# Allegro board 1156197-TDI_VU3P_QSFP28_CXP_V001_1023A-166-20241121_1644_PCB.brd (continued)
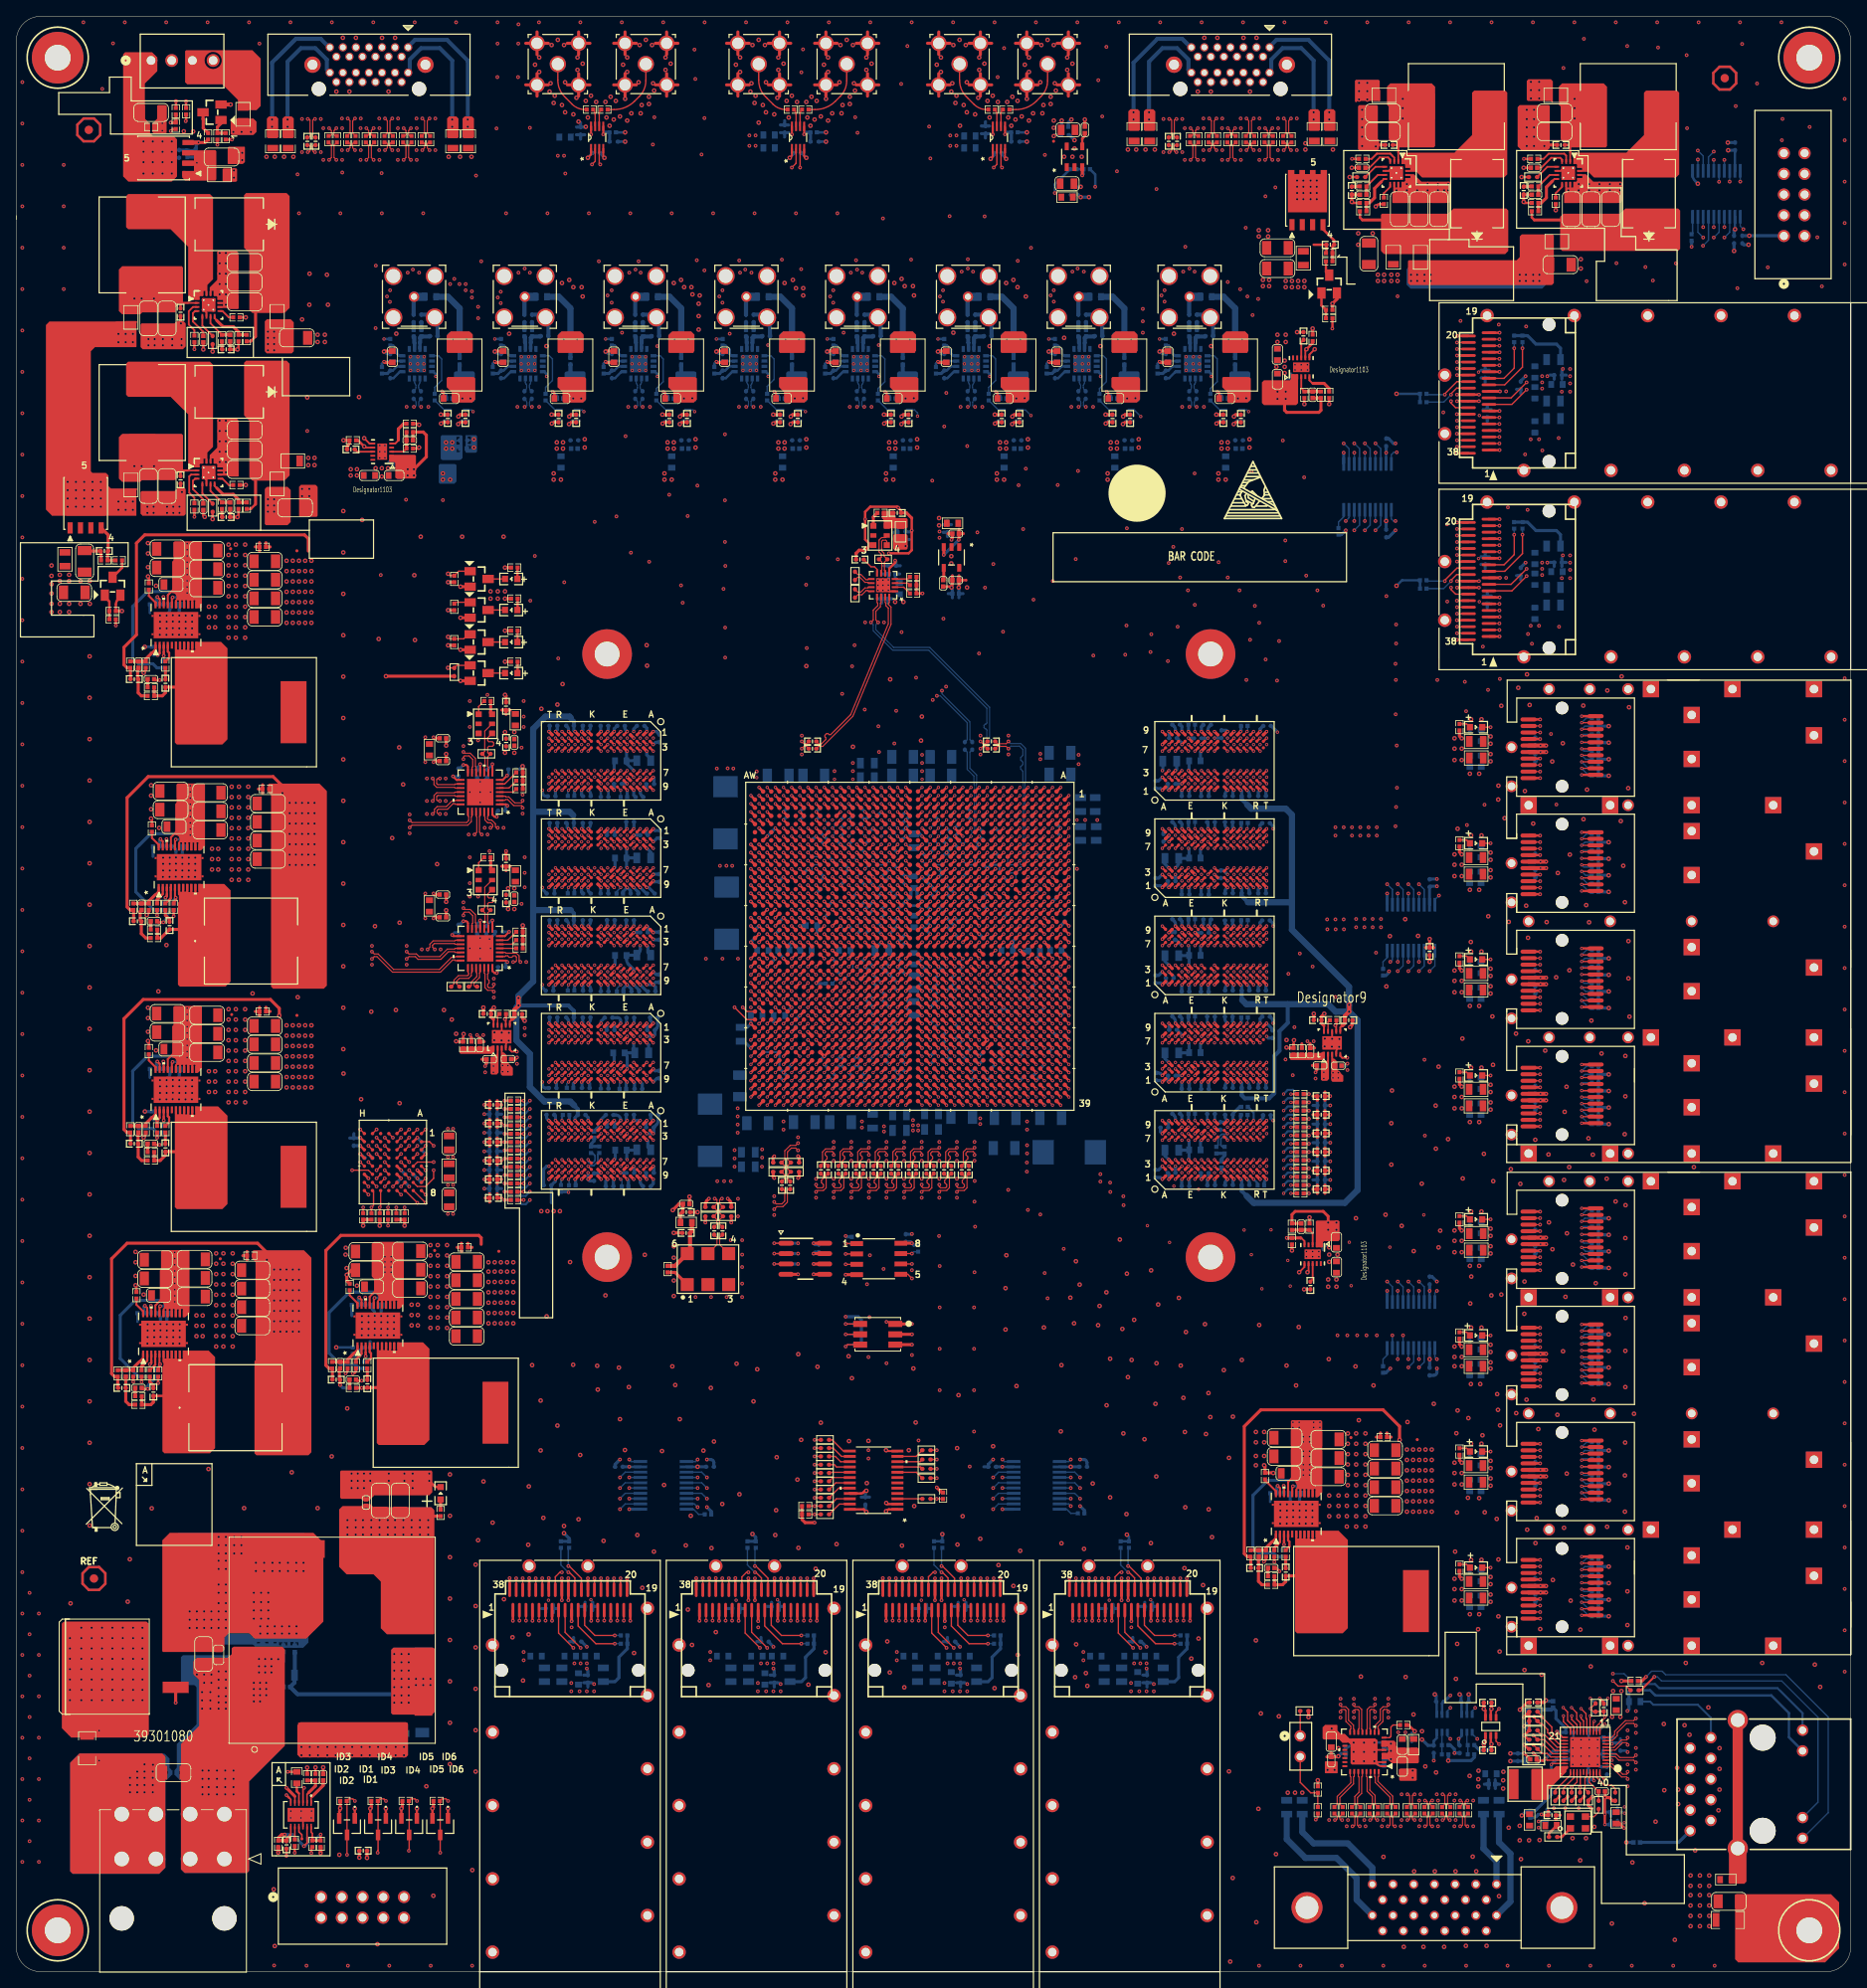
[diagram p0: board, top side]
## Routing (per net, layer and track width the routed paths; a pad name or vN(x,y) marks a point on that pad's centre or on a via; arc(x,y) is an arc through that point) (continued)
CHA_SFP+_0_RXD_P: length 98.8
  TOP w0.14: P1.A13 v1(186.91,48.94) ; U1.G38 v3(123.1,107.36)
  ART14 w0.102: v3(123.1,107.36) 123.1,107.06 arc(123.07,106.99) 123,106.96 122.86,106.96 arc(122.6,106.85) 122.5,106.6 122.5,105.77 122.45,105.71 122.45,105.69
  ART14 w0.114: 122.45,105.69 122.45,100.5 arc(122.87,98.3) 124.11,96.44 147.86,72.68 arc(149.87,71.34) 152.25,70.87 166.18,70.87 arc(168.82,70.34) 171.06,68.85 174.16,65.74 arc(174.65,65.01) 174.83,64.14 174.83,60.45 arc(175,59.56) 175.51,58.81 184.89,49.43 arc(185.15,49.25) 185.47,49.19 186.5,49.19 arc(186.65,49.16) 186.78,49.07 v1(186.91,48.94)
CHA_SFP+_0_TX_DISABLE: length 58.6
  TOP w0.17: P1.A3 v3(192,45.34)
  ART05 w0.122: v1(174.24,83.57) 174.24,79.5 175.84,77.9 175.84,68.76 177.8,66.8 177.8,64.14 178.82,63.12 178.82,55.88 182.84,51.86 187.2,51.86 189.1,49.96 190.12,49.96 191.64,51.48 192.79,51.48 193.17,51.1 193.17,45.64 192.87,45.34 v3(192,45.34)
  BOTTOM w0.17: R173.2 193.25,44.64 192.71,44.64 v3(192,45.34) ; v1(174.24,83.57) 173.99,83.32 U19.20
CHA_SFP+_0_TX_DISABLE_1V8: length 76.2
  TOP w0.152: U1.A28 v1(129.1,117.36)
  ART05 w0.122: v1(129.1,117.36) 129.53,117.36 130.68,116.2 130.68,98.12 145.75,83.06 167.77,83.06 174.24,76.58 v1(174.24,75.18)
  BOTTOM w0.17: v1(174.24,75.18) 173.99,75.43 U19.1
CHA_SFP+_0_TXD_N: length 107.7
  TOP w0.14: U1.F36 v3(124.1,109.36) ; P1.A19 v1(186.91,44.14)
  ART16 w0.102: v3(124.1,109.36) 124.1,109.61 arc(124.14,109.71) 124.25,109.76 124.36,109.76 arc(124.46,109.72) 124.5,109.62 124.5,108.04 124.48,107.62 124.48,105.89 124.42,105.84 124.42,105.82
  ART16 w0.114: 124.42,105.82 124.42,105.25 arc(124.46,105.05) 124.57,104.89 arc(124.64,104.79) 124.66,104.68 124.66,103.76 124.66,96.56 arc(124.95,95.11) 125.77,93.89 126.34,93.31 arc(127.13,92.14) 127.4,90.75 127.4,89.41 arc(127.61,88.4) 128.18,87.54 144.91,70.81 arc(147.16,69.31) 149.8,68.78 169.49,68.78 arc(171.3,68.42) 172.83,67.4 173.51,66.73 arc(174.43,65.34) 174.75,63.72 174.75,60.6 arc(174.94,59.64) 175.49,58.83 183.48,50.83 arc(184.52,49.28) 184.88,47.45 184.88,45.5 arc(184.93,45.28) 185.05,45.09 185.58,44.56 arc(185.77,44.44) 185.99,44.4 186.48,44.4 arc(186.64,44.37) 186.77,44.28 v1(186.91,44.14)
CHA_SFP+_0_TXD_P: length 107.6
  TOP w0.14: U1.F35 v3(124.1,110.36) ; P1.A18 v1(186.91,44.94)
  ART16 w0.102: v3(124.1,110.36) 124.1,110.15 arc(124.16,110.01) 124.29,109.96 124.36,109.96 arc(124.6,109.86) 124.7,109.62 124.7,108.03 124.68,107.61 124.68,105.89 124.73,105.84 124.73,105.82
  ART16 w0.114: v1(186.91,44.94) 186.78,44.81 arc(186.66,44.73) 186.51,44.7 185.99,44.7 arc(185.89,44.72) 185.8,44.78 185.27,45.31 arc(185.21,45.4) 185.19,45.5 185.19,45.71 arc(185.21,45.76) 185.27,45.78 arc(185.32,45.8) 185.34,45.86 185.34,46.16 arc(185.32,46.22) 185.27,46.24 arc(185.21,46.26) 185.19,46.31 185.19,47.45 arc(184.8,49.4) 183.7,51.05 175.7,59.05 arc(175.23,59.76) 175.06,60.6 175.06,63.72 arc(174.71,65.46) 173.72,66.94 173.05,67.61 arc(171.42,68.7) 169.49,69.09 149.8,69.09 arc(147.27,69.59) 145.13,71.02 128.4,87.76 arc(127.89,88.52) 127.71,89.41 127.71,90.75 arc(127.41,92.26) 126.56,93.53 125.98,94.11 arc(125.23,95.23) 124.97,96.56 124.97,96.56 124.97,104.68 arc(124.92,104.91) 124.79,105.11 arc(124.75,105.17) 124.73,105.25 124.73,105.82
CHA_SFP+_1_LOS: length 47.8
  TOP w0.17: DS5.2 v1(180.83,63.84) ; P1.B8 v3(192,63.59)
  ART05 w0.122: v3(192,63.59) 189.16,63.59 187.32,65.42 184.55,65.42 182.97,63.84 v1(180.83,63.84) 180.59,64.08 180.59,68.2 178.99,69.81 178.99,76.79 176.4,79.38 176.4,83.44 174.24,85.6 171.63,85.6 v1(170.74,84.71)
  BOTTOM w0.17: R185.2 192.38,63.97 v3(192,63.59) ; U19.16 171.39,84.06 v1(170.74,84.71)
CHA_SFP+_1_LOS_1V8: length 75.6
  TOP w0.152: U1.C29 v1(127.1,116.36)
  ART05 w0.122: v1(170.74,74.17) 170.05,74.86 170.05,75.82 168.09,77.79 168.09,78.67 165.23,81.53 144.78,81.53 127.64,98.68 127.64,115.6 127.1,116.13 v1(127.1,116.36)
  BOTTOM w0.17: U19.5 171.39,74.82 v1(170.74,74.17)
CHA_SFP+_1_RXD_N: length 87.3
  TOP w0.14: v1(186.91,63.99) 186.9,63.99 P1.B12 ; U1.E39 v3(125.1,106.36)
  ART14 w0.102: 124.75,105.69 124.75,105.71 124.7,105.77 124.7,106.6 arc(124.75,106.71) 124.86,106.76 125,106.76 arc(125.07,106.73) 125.1,106.65 v3(125.1,106.36)
  ART14 w0.114: v1(186.91,63.99) 186.78,63.86 arc(186.65,63.77) 186.5,63.74 186.33,63.74 arc(186.28,63.76) 186.26,63.81 arc(186.24,63.86) 186.19,63.88 185.87,63.88 arc(185.83,63.86) 185.81,63.81 arc(185.79,63.76) 185.74,63.74 184.83,63.74 arc(184.33,63.84) 183.91,64.12 183.76,64.27 arc(183.74,64.32) 183.76,64.37 arc(183.78,64.42) 183.76,64.48 183.54,64.7 arc(183.49,64.72) 183.43,64.7 arc(183.38,64.68) 183.33,64.7 183.11,64.92 arc(183.09,64.97) 183.11,65.02 arc(183.13,65.07) 183.11,65.12 182.89,65.34 arc(182.84,65.37) 182.79,65.34 arc(182.74,65.32) 182.69,65.34 176.91,71.12 arc(174.61,72.65) 171.9,73.19 152.86,73.19 arc(150.75,73.61) 148.97,74.8 126.97,96.81 arc(125.62,98.82) 125.15,101.21 125.15,103.09 arc(125.16,103.14) 125.21,103.16 arc(125.25,103.17) 125.27,103.22 125.27,103.55 arc(125.25,103.59) 125.21,103.61 arc(125.16,103.63) 125.15,103.68 125.15,104.01 arc(125.16,104.05) 125.21,104.07 arc(125.25,104.09) 125.27,104.13 125.27,104.46 arc(125.25,104.51) 125.21,104.53 arc(125.16,104.55) 125.15,104.59 125.15,104.74 arc(125.1,104.96) 124.98,105.15 124.83,105.29 arc(124.77,105.38) 124.75,105.48 124.75,105.69
CHA_SFP+_1_RXD_P: length 87.3
  TOP w0.14: U1.E38 v3(125.1,107.36) ; P1.B13 v1(186.91,63.19)
  ART14 w0.102: 124.45,105.69 124.45,105.71 124.5,105.77 124.5,106.6 arc(124.6,106.85) 124.86,106.96 125,106.96 arc(125.07,106.99) 125.1,107.06 v3(125.1,107.36)
  ART14 w0.114: 124.45,105.69 124.45,105.48 arc(124.49,105.26) 124.61,105.07 124.76,104.93 arc(124.82,104.84) 124.84,104.74 124.84,101.21 arc(125.34,98.71) 126.75,96.59 148.75,74.59 arc(150.64,73.33) 152.86,72.89 171.9,72.89 arc(174.5,72.37) 176.7,70.9 183.69,63.9 arc(184.21,63.56) 184.83,63.44 186.5,63.44 arc(186.65,63.41) 186.78,63.32 v1(186.91,63.19)
CHA_SFP+_1_TX_DISABLE: length 49.5
  TOP w0.17: P1.B3 v3(192,59.59)
  ART05 w0.122: v3(192,59.59) 190,59.59 187.32,56.92 186.44,56.92 185.17,58.19 180.75,58.19 179.45,59.48 179.45,64.01 179.07,64.39 179.07,68.45 177.42,70.1 177.42,72.9 178.18,73.66 178.18,76.83 175.01,80.01 175.01,83.69 174.5,84.2 172.68,84.2 v1(172.04,83.57)
  BOTTOM w0.17: U19.17 v1(172.04,83.57) ; R179.2 192.71,58.89 v3(192,59.59)
CHA_SFP+_1_TX_DISABLE_1V8: length 76.7
  TOP w0.152: U1.C28 v1(127.1,117.36)
  ART05 w0.122: v1(127.1,117.36) 127.59,116.87 129.49,116.87 130.3,116.05 130.3,97.97 145.59,82.68 167.23,82.68 172.04,77.86 v1(172.04,75.18)
  BOTTOM w0.17: U19.4 v1(172.04,75.18)
CHA_SFP+_1_TXD_N: length 94.5
  TOP w0.14: P1.B19 v1(186.91,58.39) ; U1.D36 v3(126.1,109.36)
  ART16 w0.102: v3(126.1,109.36) 126.1,109.61 arc(126.14,109.71) 126.25,109.76 126.32,109.76 arc(126.45,109.7) 126.5,109.58 126.5,108.04 126.48,107.62 126.48,105.86 126.42,105.8 126.42,105.78
  ART16 w0.114: v1(186.91,58.39) 186.78,58.52 arc(186.65,58.61) 186.5,58.64 186.15,58.64 arc(185.93,58.68) 185.74,58.8 185.53,59.01 arc(185.41,59.2) 185.37,59.42 185.37,61.37 arc(185.21,62.16) 184.76,62.83 177.98,69.62 arc(176.6,70.54) 174.97,70.87 153.12,70.87 arc(149.94,71.5) 147.25,73.3 131.14,89.4 arc(130.71,90.05) 130.56,90.82 arc(130.41,91.58) 129.98,92.22 127.64,94.55 arc(126.74,95.9) 126.42,97.5 126.42,105.78
CHA_SFP+_1_TXD_P: length 94.4
  TOP w0.14: U1.D35 v3(126.1,110.36) ; P1.B18 v1(186.91,59.19)
  ART16 w0.102: v3(126.1,110.36) 126.1,110.15 arc(126.16,110.01) 126.29,109.96 126.32,109.96 arc(126.59,109.85) 126.7,109.58 126.7,108.03 126.68,107.61 126.68,105.86 126.73,105.8 126.73,105.78
  ART16 w0.114: 126.73,105.78 126.73,97.5 arc(127.03,96.02) 127.86,94.77 130.19,92.44 arc(130.69,91.7) 130.86,90.82 arc(130.99,90.17) 131.36,89.62 147.47,73.51 arc(150.06,71.78) 153.12,71.17 174.97,71.17 arc(176.71,70.83) 178.19,69.84 184.98,63.05 arc(185.49,62.28) 185.67,61.37 185.67,60.17 arc(185.7,60.12) 185.75,60.09 arc(185.8,60.07) 185.83,60.02 185.83,59.71 arc(185.8,59.66) 185.75,59.64 arc(185.7,59.61) 185.67,59.56 185.67,59.42 arc(185.69,59.32) 185.75,59.23 185.96,59.02 arc(186.05,58.96) 186.15,58.94 186.5,58.94 arc(186.65,58.97) 186.78,59.06 v1(186.91,59.19)
CHA_SFP+_2_LOS: length 38.7
  TOP w0.17: P1.C8 v3(192,77.84) ; DS6.2 v1(180.83,78.09)
  ART05 w0.122: v1(169.44,84.71) 169.44,85.5 170.81,86.87 175.77,86.87 179.07,83.57 179.07,78.74 179.72,78.09 v1(180.83,78.09) 182.41,79.68 187.32,79.68 189.16,77.84 192,77.84 v3(192,77.84)
  BOTTOM w0.17: R194.2 192.39,78.22 v3(192,77.84) ; v1(169.44,84.71) 170.09,84.06 U19.14
CHA_SFP+_2_LOS_1V8: length 85.2
  TOP w0.152: U1.M27 v1(118.1,118.36)
  ART16 w0.122: v1(170.09,78.11) 167,81.19 167,91.95 164.47,94.49 138.72,94.49 131.7,101.51 131.7,112.78 129.54,114.94 126.8,114.94 126.57,115.16 126.57,115.7 126.44,115.82 118.87,115.82 118.62,116.08 118.62,117.86 118.12,118.36 v1(118.1,118.36)
  BOTTOM w0.17: v1(170.09,78.11) U19.7
CHA_SFP+_2_RXD_N: length 78.5
  TOP w0.14: P1.C12 186.9,78.24 v1(186.91,78.24) ; U1.C39 v3(127.1,106.36)
  ART14 w0.102: v3(127.1,106.36) 127.1,106.65 arc(127.07,106.73) 127,106.76 126.86,106.76 arc(126.75,106.71) 126.7,106.6 126.7,105.85 126.75,105.79 126.75,105.77
  ART14 w0.114: 126.75,105.77 126.75,103.53 arc(126.78,103.48) 126.83,103.46 arc(126.88,103.44) 126.9,103.39 126.9,103.08 arc(126.88,103.03) 126.83,103 arc(126.78,102.98) 126.75,102.93 126.75,102.7 arc(127.18,100.55) 128.4,98.73 128.52,98.61 arc(128.58,98.59) 128.63,98.61 128.63,98.61 arc(128.69,98.63) 128.75,98.61 128.96,98.4 arc(128.98,98.34) 128.96,98.29 arc(128.93,98.23) 128.96,98.17 129.17,97.96 arc(129.22,97.94) 129.28,97.96 arc(129.34,97.99) 129.39,97.96 129.6,97.75 arc(129.63,97.7) 129.6,97.64 arc(129.58,97.58) 129.6,97.53 131.34,95.79 142.1,85.03 arc(146.68,81.97) 152.07,80.9 181.34,80.9 arc(182.65,80.64) 183.75,79.9 184.37,79.28 arc(184.42,79.26) 184.46,79.28 arc(184.51,79.3) 184.55,79.28 184.79,79.04 arc(184.81,79) 184.79,78.95 arc(184.77,78.91) 184.79,78.86 185.02,78.63 arc(185.07,78.61) 185.11,78.63 arc(185.15,78.65) 185.2,78.63 185.43,78.4 arc(185.45,78.35) 185.43,78.31 arc(185.42,78.26) 185.43,78.22 185.58,78.07 arc(185.67,78.01) 185.77,77.99 186.5,77.99 arc(186.65,78.02) 186.78,78.11 v1(186.91,78.24)
CHA_SFP+_2_RXD_P: length 78.5
  TOP w0.14: U1.C38 v3(127.1,107.36) ; P1.C13 v1(186.91,77.44)
  ART14 w0.102: 126.45,105.77 126.45,105.79 126.5,105.85 126.5,106.6 arc(126.6,106.85) 126.86,106.96 127,106.96 arc(127.07,106.99) 127.1,107.06 v3(127.1,107.36)
  ART14 w0.114: v1(186.91,77.44) 186.78,77.57 arc(186.65,77.66) 186.5,77.68 185.77,77.68 arc(185.55,77.73) 185.36,77.85 183.54,79.68 arc(182.53,80.36) 181.34,80.59 152.07,80.59 arc(146.56,81.69) 141.88,84.81 131.65,95.05 128.18,98.51 arc(126.9,100.44) 126.45,102.7 126.45,105.77
CHA_SFP+_2_TX_DISABLE: length 40.7
  TOP w0.17: P1.C3 v3(192,73.84)
  ART05 w0.122: v1(170.74,83.57) 170.18,84.13 170.18,85.22 171.2,86.23 174.88,86.23 177.04,84.07 177.04,79.5 179.58,76.96 179.58,73.7 180.85,72.43 185.17,72.43 186.44,71.16 187.32,71.16 190,73.84 v3(192,73.84)
  BOTTOM w0.17: U19.15 v1(170.74,83.57) ; R187.2 192.7,73.14 v3(192,73.84)
CHA_SFP+_2_TX_DISABLE_1V8: length 73.7
  TOP w0.152: U1.B29 v1(128.1,116.36)
  ART05 w0.122: v1(170.74,75.18) 170.74,76.2 169.42,77.53 169.42,78.74 166.24,81.92 145.11,81.92 129.54,97.48 129.54,115.57 129.29,115.82 128.63,115.82 v1(128.1,116.36)
  BOTTOM w0.17: U19.6 v1(170.74,75.18)
CHA_SFP+_2_TXD_N: length 87
  TOP w0.14: v1(186.91,72.64) 186.9,72.64 P1.C19 ; U1.C34 v3(127.1,111.36)
  ART16 w0.102: v3(127.1,111.36) 127.1,111.57 arc(127.16,111.7) 127.29,111.76 127.35,111.76 arc(127.45,111.71) 127.5,111.6 127.5,110 127.48,109.58 127.48,107.99 arc(127.48,107.96) 127.48,107.92 127.52,107.62 arc(127.52,107.6) 127.52,107.57 127.52,106.02 127.47,105.96 127.47,105.94
  ART16 w0.114: v1(186.91,72.64) 186.78,72.77 arc(186.65,72.86) 186.5,72.89 153.54,72.89 arc(150.69,73.45) 148.27,75.07 133.48,89.86 arc(133.29,90.14) 133.22,90.48 arc(133.02,91.48) 132.45,92.34 129.48,95.31 arc(128.53,96.74) 128.19,98.42 128.19,104.39 arc(128.15,104.6) 128.02,104.79 127.74,105.08 arc(127.54,105.37) 127.47,105.72 127.47,105.94
CHA_SFP+_2_TXD_P: length 87
  TOP w0.14: U1.C33 v3(127.1,112.36) ; P1.C18 v1(186.91,73.44)
  ART16 w0.102: v3(127.1,112.36) 127.1,112.15 arc(127.16,112.01) 127.29,111.96 127.35,111.96 arc(127.6,111.85) 127.7,111.6 127.7,109.99 127.68,109.58 127.68,107.99 arc(127.68,107.97) 127.68,107.95 127.72,107.64 arc(127.72,107.61) 127.72,107.57 127.72,106.02 127.78,105.96 127.78,105.94
  ART16 w0.114: v1(186.91,73.44) 186.78,73.31 arc(186.65,73.22) 186.5,73.19 186.13,73.19 arc(186.08,73.21) 186.06,73.26 arc(186.04,73.31) 185.99,73.33 185.67,73.33 arc(185.62,73.31) 185.6,73.26 arc(185.58,73.21) 185.53,73.19 153.54,73.19 arc(150.81,73.74) 148.49,75.29 133.69,90.08 arc(133.57,90.26) 133.53,90.48 arc(133.31,91.6) 132.67,92.56 129.69,95.53 arc(128.81,96.85) 128.5,98.42 128.5,104.39 arc(128.43,104.72) 128.24,105.01 127.95,105.3 arc(127.82,105.49) 127.78,105.72 127.78,105.94
CHA_SFP+_3_LOS: length 36.5
  TOP w0.17: P1.D8 v3(192,92.09) ; DS7.2 v1(180.83,92.34)
  ART05 w0.122: v3(192,92.09) 189.16,92.09 187.32,93.93 182.41,93.93 v1(180.83,92.34) 173.75,92.34 168.14,86.74 v1(168.14,84.71)
  BOTTOM w0.17: v3(192,92.09) 192.39,92.47 R202.2 ; v1(168.14,84.71) 168.79,84.06 U19.12
CHA_SFP+_3_LOS_1V8: length 85.1
  TOP w0.152: U1.N27 v1(117.1,118.36)
  ART16 w0.122: v1(168.78,78.11) 165.86,81.03 165.86,91.82 163.7,93.98 138.51,93.98 131.32,101.18 131.32,112.57 130.1,113.79 124.96,113.79 124.59,114.17 124.59,114.55 124.33,114.81 119,114.81 118.62,115.19 118.62,115.57 118.36,115.82 117.86,115.82 117.6,116.08 117.6,117.73 117.1,118.23 v1(117.1,118.36)
  BOTTOM w0.17: U19.9 168.79,78.09 v1(168.78,78.11)
CHA_SFP+_3_RXD_N: length 72.2
  TOP w0.14: U1.B37 v3(128.1,108.36) ; P1.D12 v1(186.91,92.49)
  ART14 w0.102: v3(128.1,108.36) 128.1,108.65 arc(128.07,108.73) 128,108.76 127.86,108.76 arc(127.75,108.71) 127.7,108.6 127.7,105.83 127.75,105.78 127.75,105.76
  ART14 w0.114: 127.75,105.76 127.75,105.41 arc(127.87,104.83) 128.2,104.34 128.38,104.16 arc(128.43,104.14) 128.49,104.16 arc(128.55,104.18) 128.61,104.16 128.82,103.95 arc(128.84,103.89) 128.82,103.84 128.81,103.84 arc(128.79,103.78) 128.81,103.72 129.02,103.51 arc(129.08,103.49) 129.14,103.51 129.14,103.51 arc(129.2,103.54) 129.25,103.51 129.46,103.3 arc(129.49,103.25) 129.46,103.19 arc(129.44,103.13) 129.46,103.08 129.67,102.87 arc(129.73,102.84) 129.78,102.87 129.79,102.87 arc(129.84,102.89) 129.9,102.87 130.11,102.66 arc(130.13,102.6) 130.11,102.54 130.11,102.54 arc(130.08,102.49) 130.11,102.43 137.86,94.68 arc(138.77,94.07) 139.85,93.85 166.62,93.85 arc(167.09,93.95) 167.49,94.21 167.64,94.36 arc(167.98,94.59) 168.38,94.67 180.89,94.67 arc(181.72,94.5) 182.41,94.04 183.76,92.7 arc(184.26,92.36) 184.85,92.24 185.62,92.24 arc(185.68,92.27) 185.71,92.34 arc(185.74,92.4) 185.8,92.43 186.07,92.43 arc(186.14,92.4) 186.17,92.34 arc(186.19,92.27) 186.26,92.24 186.5,92.24 arc(186.65,92.27) 186.78,92.36 v1(186.91,92.49)
CHA_SFP+_3_RXD_P: length 72.3
  TOP w0.14: P1.D13 v1(186.91,91.69) ; U1.B36 v3(128.1,109.36)
  ART14 w0.102: v3(128.1,109.36) 128.1,109.06 arc(128.07,108.99) 128,108.96 127.86,108.96 arc(127.6,108.85) 127.5,108.6 127.5,105.83 127.45,105.78 127.45,105.76
  ART14 w0.114: 127.45,105.76 127.45,105.41 arc(127.59,104.71) 127.98,104.12 128.37,103.73 137.64,94.46 arc(138.66,93.78) 139.85,93.55 166.62,93.55 arc(167.21,93.66) 167.71,93.99 167.86,94.14 arc(168.1,94.3) 168.38,94.36 180.89,94.36 arc(181.6,94.22) 182.2,93.82 183.54,92.48 arc(184.14,92.08) 184.85,91.94 186.5,91.94 arc(186.65,91.91) 186.78,91.82 v1(186.91,91.69)
CHA_SFP+_3_TX_DISABLE: length 33
  TOP w0.17: P1.D3 v3(192,88.09)
  ART05 w0.122: v1(169.44,83.57) 168.91,84.1 168.91,85.98 170.56,87.63 179.71,87.63 180.42,86.91 183.77,86.91 185.17,85.52 187.58,85.52 190.15,88.09 v3(192,88.09)
  BOTTOM w0.17: v3(192,88.09) 192.7,87.39 R196.2 ; U19.13 v1(169.44,83.57)
CHA_SFP+_3_TX_DISABLE_1V8: length 75
  TOP w0.152: U1.D28 v1(126.1,117.36)
  ART05 w0.122: v1(126.1,117.36) 126.62,116.84 126.62,97.42 142.89,81.15 164.72,81.15 167.51,78.36 167.51,77.11 v1(169.44,75.18)
  BOTTOM w0.17: U19.8 v1(169.44,75.18)
CHA_SFP+_3_TXD_N: length 86.9
  TOP w0.14: P1.D19 v1(186.91,86.89) ; U1.A34 v3(129.1,111.36)
  ART16 w0.114: v1(186.91,86.89) 186.78,87.02 arc(186.65,87.11) 186.5,87.14 184.03,87.14 arc(182.51,86.84) 181.23,85.98 173.07,77.82 arc(171.16,76.55) 168.92,76.1 154.51,76.1 arc(150.89,76.82) 147.83,78.86 137.27,89.43 arc(136.81,90.11) 136.65,90.92 136.65,91.31 arc(136.57,91.73) 136.33,92.09 131.19,97.23 arc(130.02,98.98) 129.61,101.04 129.61,111.54 arc(129.57,111.66) 129.45,111.7 129.26,111.7 arc(129.15,111.66) 129.1,111.54 v3(129.1,111.36)
CHA_SFP+_3_TXD_P: length 86.9
  TOP w0.14: U1.A33 v3(129.1,112.36) ; P1.D18 v1(186.91,87.69)
  ART16 w0.114: v3(129.1,112.36) 129.1,112.17 arc(129.15,112.06) 129.26,112.01 129.45,112.01 arc(129.78,111.87) 129.92,111.54 129.92,101.04 arc(130.31,99.09) 131.41,97.44 136.55,92.3 arc(136.85,91.85) 136.96,91.31 136.96,90.92 arc(137.1,90.23) 137.49,89.64 148.05,79.08 arc(151.01,77.1) 154.51,76.41 168.92,76.41 arc(171.05,76.83) 172.85,78.04 181.01,86.2 arc(182.39,87.12) 184.03,87.44 186.5,87.44 arc(186.65,87.47) 186.78,87.56 v1(186.91,87.69)
CHA_SFP+_4_LOS: length 48.5
  TOP w0.17: P2.A8 v3(192,109.75) ; DS8.2 v1(180.83,110)
  ART05 w0.122: v3(192,109.75) 188.83,109.75 187,111.58 182.41,111.58 v1(180.83,110) 180.52,110.31 178.26,110.31 174.88,113.69 174.88,127.89 171.32,131.44 171.32,132.76 v1(172.04,133.48)
  BOTTOM w0.17: U20.18 172.69,132.83 v1(172.04,133.48) ; R214.2 192.39,110.13 v3(192,109.75)
CHA_SFP+_4_LOS_1V8: length 71.2
  TOP w0.152: U1.M31 v1(118.1,114.36)
  ART14 w0.122: v1(118.1,114.36) 118.31,114.36 118.87,113.79 119.25,113.79 120.27,112.78 122.3,112.78 122.56,112.52 122.56,112.27 122.94,111.89 126.36,111.89 126.62,112.14 126.62,112.52 126.87,112.78 134.24,112.78 139.95,107.06 152.5,107.06 154.91,109.47 158.62,109.47 159,109.09 163.08,109.09 172.04,118.06 v1(172.04,122.81)
  BOTTOM w0.17: U20.3 172.69,123.46 v1(172.04,122.81)
CHA_SFP+_4_RXD_N: length 84.3
  TOP w0.14: U1.B3 v3(128.1,143.36) ; v1(186.91,110.15) 186.9,110.15 P2.A12
  ART14 w0.102: v3(128.1,143.36) 128.1,143.06 arc(128.13,142.99) 128.2,142.96 129.56,142.96 129.62,143.01 129.64,143.01
  ART14 w0.114: v1(186.91,110.15) 186.78,110.02 arc(186.65,109.93) 186.5,109.9 185.25,109.9 arc(184.12,110.13) 183.17,110.77 177,116.93 arc(175.97,118.46) 175.62,120.27 175.62,125.47 arc(175.26,127.26) 174.24,128.78 173.74,129.28 arc(173.36,129.85) 173.23,130.52 173.23,135.76 arc(172.78,137.99) 171.52,139.88 169.93,141.48 arc(168.23,142.61) 166.23,143.01 129.64,143.01
CHA_SFP+_4_RXD_P: length 84.2
  TOP w0.14: U1.B4 v3(128.1,142.36) ; P2.A13 v1(186.91,109.35)
  ART14 w0.102: 129.64,142.7 129.62,142.7 129.56,142.76 128.2,142.76 arc(128.13,142.73) 128.1,142.65 v3(128.1,142.36)
  ART14 w0.114: v1(186.91,109.35) 186.78,109.48 arc(186.65,109.56) 186.5,109.59 185.25,109.59 arc(184.01,109.84) 182.95,110.55 176.78,116.72 arc(175.69,118.35) 175.31,120.27 175.31,125.47 arc(174.98,127.14) 174.03,128.56 173.53,129.06 arc(173.08,129.73) 172.92,130.52 172.92,135.76 arc(172.5,137.87) 171.3,139.66 169.71,141.26 arc(168.11,142.33) 166.23,142.7 129.64,142.7
CHA_SFP+_4_TX_DISABLE: length 46.9
  TOP w0.17: v3(192,105.75) 192.01,105.75 P2.A3
  ART05 w0.122: v1(174.5,132.08) 175.51,131.06 175.51,118.87 182.12,112.27 187.2,112.27 189.1,110.36 190.12,110.36 191.64,111.89 192.79,111.89 193.17,111.51 193.17,106.05 192.87,105.75 v3(192,105.75)
  BOTTOM w0.17: U20.20 173.99,131.58 v1(174.5,132.08) ; v3(192,105.75) 192.7,105.05 R208.2
CHA_SFP+_4_TX_DISABLE_1V8: length 77.5
  TOP w0.152: U1.P30 v1(116.1,115.36)
  ART14 w0.122: v1(116.1,115.36) 116.1,115.17 116.59,114.68 116.59,114.17 116.97,113.79 117.35,113.79 117.6,113.54 117.6,112.17 117.88,111.89 118.49,111.89 119.51,110.87 122.3,110.87 122.56,110.62 122.56,110.24 122.94,109.86 123.32,109.86 123.57,109.6 123.57,109.22 123.95,108.84 126.36,108.84 126.62,109.1 126.62,109.73 126.75,109.86 135.64,109.86 139.45,106.05 152.65,106.05 155.19,108.58 158.12,108.58 158.37,108.33 163.75,108.33 173.35,117.93 v1(173.35,122.81)
  BOTTOM w0.17: v1(173.35,122.81) 173.99,123.45 U20.1
CHA_SFP+_4_TXD_N: length 107.5
  TOP w0.14: U1.A6 v3(129.1,140.36) ; P2.A19 v1(186.91,104.55)
  ART16 w0.114: v3(129.1,140.36) 129.1,140.17 arc(129.15,140.06) 129.26,140.01 131.88,140.01 arc(132.18,140.07) 132.44,140.24 132.89,140.69 134.86,142.66 arc(135.34,143.38) 135.51,144.23 135.51,147.57 arc(135.85,149.27) 136.8,150.7 138.66,152.55 arc(139.03,152.86) 139.45,153.1 arc(139.99,153.28) 140.56,153.34 154.05,153.34 arc(154.2,153.34) 154.35,153.32 arc(155.4,153) 156.29,152.35 157.13,151.52 arc(158.18,149.94) 158.55,148.08 158.55,131.32 arc(159.06,128.74) 160.52,126.55 173.25,113.82 arc(174.41,113.05) 175.77,112.78 184.91,112.78 arc(186.49,112.46) 187.82,111.57 188.34,111.05 arc(188.76,110.43) 188.9,109.7 188.9,105.88 arc(188.58,105.11) 187.81,104.79 187.32,104.79 arc(187.17,104.76) 187.04,104.68 v1(186.91,104.55)
CHA_SFP+_4_TXD_P: length 107.5
  TOP w0.14: P2.A18 v1(186.91,105.35) ; U1.A7 v3(129.1,139.36)
  ART16 w0.114: v3(129.1,139.36) 129.1,139.54 arc(129.15,139.66) 129.26,139.7 129.6,139.7 arc(129.66,139.68) 129.69,139.61 arc(129.71,139.55) 129.78,139.52 130.05,139.52 arc(130.12,139.55) 130.14,139.61 arc(130.17,139.68) 130.24,139.7 130.51,139.7 arc(130.58,139.68) 130.6,139.61 arc(130.63,139.55) 130.69,139.52 130.97,139.52 arc(131.03,139.55) 131.06,139.61 arc(131.09,139.68) 131.15,139.7 131.88,139.7 arc(132.3,139.79) 132.66,140.03 133.11,140.47 135.07,142.44 arc(135.62,143.26) 135.82,144.23 135.82,147.57 arc(136.13,149.15) 137.02,150.48 138.87,152.34 arc(139.2,152.61) 139.57,152.82 arc(140.06,152.98) 140.56,153.03 154.05,153.03 arc(154.18,153.03) 154.31,153.02 154.31,153.02 arc(155.26,152.72) 156.07,152.14 156.91,151.3 arc(157.9,149.82) 158.24,148.08 158.24,131.32 arc(158.78,128.62) 160.31,126.33 173.04,113.6 arc(174.29,112.76) 175.77,112.47 184.91,112.47 arc(186.37,112.18) 187.6,111.35 188.13,110.83 arc(188.47,110.31) 188.59,109.7 188.59,108.49 arc(188.57,108.43) 188.52,108.41 188.51,108.41 arc(188.45,108.39) 188.43,108.33 188.43,108.03 arc(188.45,107.98) 188.51,107.95 188.52,107.95 arc(188.57,107.93) 188.59,107.88 188.59,107.57 arc(188.57,107.52) 188.52,107.5 arc(188.46,107.47) 188.44,107.42 188.44,107.12 arc(188.46,107.06) 188.52,107.04 arc(188.57,107.02) 188.59,106.96 188.59,106.66 arc(188.57,106.6) 188.52,106.58 188.51,106.58 arc(188.45,106.56) 188.43,106.51 188.43,106.2 arc(188.45,106.15) 188.51,106.12 188.52,106.12 arc(188.57,106.1) 188.59,106.05 188.59,105.88 arc(188.37,105.33) 187.81,105.1 187.32,105.1 arc(187.17,105.13) 187.04,105.22 v1(186.91,105.35)
CHA_SFP+_5_LOS: length 38.4
  TOP w0.17: P2.B8 v3(192,124) ; DS9.2 v1(180.83,124.25)
  ART05 w0.122: v1(170.74,133.48) 172.06,134.8 174.32,134.8 177.67,131.44 177.67,124.84 178.26,124.25 v1(180.83,124.25) 182.41,125.83 187.32,125.83 189.16,124 v3(192,124)
  BOTTOM w0.17: v1(170.74,133.48) 171.39,132.83 U20.16 ; v3(192,124) 192.38,124.38 R223.2
CHA_SFP+_5_LOS_1V8: length 63.2
  TOP w0.152: U1.L30 v1(119.1,115.36)
  ART14 w0.122: v1(170.74,122.81) 170.74,121.6 165.86,116.71 161.29,116.71 160.4,115.82 158.24,115.82 157.35,114.94 157.35,113.79 156.27,112.71 155.26,112.71 154.94,112.39 138.3,112.39 135.84,114.86 126.95,114.86 126.57,114.48 126.57,114.15 126.36,113.94 124.84,113.94 124.59,114.2 124.59,114.55 124.21,114.94 119.76,114.94 119.34,115.36 v1(119.1,115.36)
  BOTTOM w0.17: v1(170.74,122.81) 171.39,123.46 U20.5
CHA_SFP+_5_RXD_N: length 83.3
  TOP w0.14: P2.B12 186.9,124.4 v1(186.91,124.4) ; U1.C1 v3(127.1,145.36)
  ART14 w0.102: v3(127.1,145.36) 127.1,145.06 arc(127.13,144.99) 127.2,144.96 128.3,144.96 arc(128.44,144.99) 128.56,145.07 128.88,145.39 128.88,145.47 128.9,145.49
  ART14 w0.114: v1(186.91,124.4) 186.78,124.26 arc(186.65,124.18) 186.5,124.15 185.81,124.15 arc(182.92,124.72) 180.47,126.36 177.99,128.84 arc(176.16,131.58) 175.51,134.83 175.51,140.91 arc(175.19,142.54) 174.27,143.92 168.36,149.83 arc(163.97,152.77) 158.79,153.8 139.25,153.8 arc(137.37,153.42) 135.77,152.36 128.9,145.49
CHA_SFP+_5_RXD_P: length 83.3
  TOP w0.14: P2.B13 v1(186.91,123.6) ; U1.C2 v3(127.1,144.36)
  ART14 w0.102: v3(127.1,144.36) 127.1,144.65 arc(127.13,144.73) 127.2,144.76 128.3,144.76 arc(128.51,144.8) 128.7,144.92 129.03,145.25 129.1,145.25 129.12,145.27
  ART14 w0.114: v1(186.91,123.6) 186.78,123.73 arc(186.65,123.81) 186.5,123.84 185.81,123.84 arc(182.8,124.44) 180.25,126.14 177.78,128.62 arc(175.87,131.47) 175.21,134.83 175.21,140.91 arc(174.91,142.42) 174.05,143.7 168.14,149.62 arc(163.85,152.48) 158.79,153.49 139.25,153.49 arc(137.49,153.14) 135.99,152.14 129.71,145.86 arc(129.68,145.8) 129.66,145.74 129.66,145.71 arc(129.65,145.64) 129.61,145.59 129.48,145.45 arc(129.42,145.41) 129.35,145.4 129.33,145.4 arc(129.26,145.39) 129.2,145.35 129.12,145.27
CHA_SFP+_5_TX_DISABLE: length 36.9
  TOP w0.17: P2.B3 v3(192,120)
  ART05 w0.122: v3(192,120) 190,120 187.32,117.32 186.44,117.32 185.17,118.59 180.75,118.59 179.2,120.14 179.2,122.17 176.66,124.71 176.66,130.81 174.8,132.66 172.37,132.66 v1(172.04,132.33)
  BOTTOM w0.17: R216.2 192.71,119.3 v3(192,120) ; U20.17 v1(172.04,132.33)
CHA_SFP+_5_TX_DISABLE_1V8: length 72.7
  TOP w0.152: U1.N31 v1(117.1,114.36)
  ART14 w0.122: v1(117.1,114.36) 117.42,114.36 117.92,113.86 118.3,113.86 118.62,113.54 118.62,113.03 119.79,111.86 122.33,111.86 122.56,111.63 122.56,111.25 122.94,110.87 135.38,110.87 139.7,106.55 152.58,106.55 155.12,109.09 158.37,109.09 158.75,108.71 163.42,108.71 172.72,118.02 172.72,123.28 v1(172.04,123.95)
  BOTTOM w0.17: U20.4 v1(172.04,123.95)
CHA_SFP+_5_TXD_N: length 92.2
  TOP w0.14: U1.C6 v3(127.1,140.36) ; P2.B19 v1(186.91,118.8)
  ART16 w0.102: v3(127.1,140.36) 127.1,140.16 arc(127.05,140.03) 126.92,139.98 126.86,139.98 arc(126.75,140.02) 126.7,140.13 126.7,143.81 126.68,144.2 126.68,145.76 126.73,145.81 126.73,145.84
  ART16 w0.114: 126.73,145.84 126.73,146.18 arc(126.98,146.77) 127.57,147.01 127.73,147.01 arc(127.78,146.99) 127.8,146.94 arc(127.83,146.88) 127.88,146.86 128.19,146.86 arc(128.24,146.88) 128.26,146.94 arc(128.28,146.99) 128.34,147.01 128.64,147.01 arc(128.7,146.99) 128.72,146.94 arc(128.74,146.88) 128.79,146.86 129.1,146.86 arc(129.15,146.88) 129.17,146.94 arc(129.2,146.99) 129.25,147.01 129.56,147.01 arc(129.61,146.99) 129.63,146.94 arc(129.65,146.88) 129.71,146.86 130.01,146.86 arc(130.07,146.88) 130.09,146.94 arc(130.11,146.99) 130.16,147.01 130.35,147.01 arc(130.8,147.1) 131.17,147.35 137.36,153.54 arc(138.21,154.11) 139.2,154.31 157.13,154.31 arc(158.63,154.01) 159.89,153.16 173.67,139.38 arc(174.75,137.76) 175.13,135.86 175.13,134.49 arc(175.33,133.5) 175.89,132.67 184.71,123.85 arc(185.19,123.12) 185.37,122.25 185.37,121.85 arc(185.34,121.8) 185.29,121.77 arc(185.24,121.75) 185.22,121.7 185.22,121.39 arc(185.24,121.34) 185.29,121.32 arc(185.34,121.29) 185.37,121.24 185.37,120.93 arc(185.34,120.88) 185.29,120.86 arc(185.24,120.84) 185.22,120.78 185.22,120.48 arc(185.24,120.42) 185.29,120.4 arc(185.34,120.38) 185.37,120.33 185.37,119.74 arc(185.41,119.52) 185.53,119.34 185.66,119.21 arc(185.85,119.09) 186.07,119.04 186.5,119.04 arc(186.65,119.01) 186.78,118.93 v1(186.91,118.8)
CHA_SFP+_5_TXD_P: length 92.2
  TOP w0.14: P2.B18 v1(186.91,119.6) ; U1.C7 v3(127.1,139.36)
  ART16 w0.102: 126.42,145.84 126.42,145.81 126.48,145.76 126.48,144.2 126.5,143.8 126.5,140.13 arc(126.6,139.88) 126.86,139.78 126.9,139.78 arc(127.04,139.72) 127.1,139.58 v3(127.1,139.36)
  ART16 w0.114: 126.42,145.84 126.42,146.18 arc(126.76,146.99) 127.57,147.32 130.35,147.32 arc(130.68,147.38) 130.95,147.57 137.15,153.76 arc(138.09,154.39) 139.2,154.61 157.13,154.61 arc(158.74,154.29) 160.11,153.38 173.89,139.6 arc(175.04,137.88) 175.44,135.86 175.44,134.49 arc(175.61,133.62) 176.11,132.88 184.92,124.07 arc(185.48,123.24) 185.67,122.25 185.67,119.74 arc(185.69,119.64) 185.75,119.56 185.88,119.43 arc(185.97,119.37) 186.07,119.35 186.5,119.35 arc(186.65,119.38) 186.78,119.47 v1(186.91,119.6)
CHA_SFP+_6_LOS: length 33.4
  TOP w0.17: DS10.2 v1(180.83,138.5) ; P2.C8 v3(192,138.25)
  ART05 w0.122: v3(192,138.25) 189.16,138.25 187.32,140.08 182.41,140.08 v1(180.83,138.5) 173.68,138.5 169.44,134.26 v1(169.44,133.48)
  BOTTOM w0.17: v3(192,138.25) 192.39,138.63 R231.2 ; U20.14 170.09,132.83 v1(169.44,133.48)
CHA_SFP+_6_LOS_1V8: length 60.9
  TOP w0.152: U1.L29 v1(119.1,116.36)
  ART14 w0.122: v1(119.1,116.36) 119.41,116.36 119.89,116.84 135.51,116.84 139.19,113.16 153.92,113.16 154.56,113.79 154.56,115.32 156.34,117.09 157.3,117.09 158.57,118.36 162.18,118.36 167.13,123.32 168.94,123.32 v1(169.44,122.81)
  BOTTOM w0.17: v1(169.44,122.81) 170.09,123.46 U20.7
CHA_SFP+_6_RXD_N: length 75
  TOP w0.14: U1.E1 v3(125.1,145.36) ; v1(186.91,138.64) 186.9,138.65 P2.C12
  ART14 w0.102: v3(125.1,145.36) 125.1,145.06 arc(125.13,144.99) 125.2,144.96 125.39,144.96 arc(125.47,144.99) 125.5,145.07 125.5,145.69 125.45,145.75 125.45,145.77
  ART14 w0.114: v1(186.91,138.64) 186.78,138.51 arc(186.65,138.43) 186.5,138.4 184.86,138.4 arc(183.65,138.64) 182.62,139.33 171.28,150.67 arc(166.35,153.96) 160.53,155.12 137.93,155.12 arc(134.78,154.49) 132.1,152.7 125.57,146.17 arc(125.48,146.04) 125.45,145.88 125.45,145.77
CHA_SFP+_6_RXD_P: length 75
  TOP w0.14: U1.E2 v3(125.1,144.36) ; P2.C13 v1(186.91,137.85)
  ART14 w0.102: 125.75,145.77 125.75,145.75 125.7,145.69 125.7,145.07 arc(125.61,144.85) 125.39,144.76 125.2,144.76 arc(125.13,144.73) 125.1,144.65 v3(125.1,144.36)
  ART14 w0.114: v1(186.91,137.85) 186.78,137.98 arc(186.65,138.06) 186.5,138.09 186.3,138.09 arc(186.24,138.07) 186.22,138.02 arc(186.2,137.97) 186.15,137.95 185.84,137.95 arc(185.79,137.97) 185.77,138.02 arc(185.74,138.07) 185.69,138.09 184.86,138.09 arc(183.53,138.36) 182.4,139.11 171.06,150.45 arc(166.23,153.68) 160.53,154.81 137.93,154.81 arc(134.9,154.21) 132.32,152.49 127.53,147.7 125.79,145.96 arc(125.76,145.92) 125.75,145.88 125.75,145.77
CHA_SFP+_6_TX_DISABLE: length 31.5
  TOP w0.17: P2.C3 v3(192,134.25)
  ART05 w0.122: v3(192,134.25) 190,134.25 187.32,131.57 186.44,131.57 185.17,132.84 180.85,132.84 180.34,133.35 176.63,133.35 174.68,135.31 171.5,135.31 170.18,133.99 170.18,132.9 v1(170.74,132.33)